# Altium PCB PowerBoard.PcbDoc (part 1 of 2) (continued)
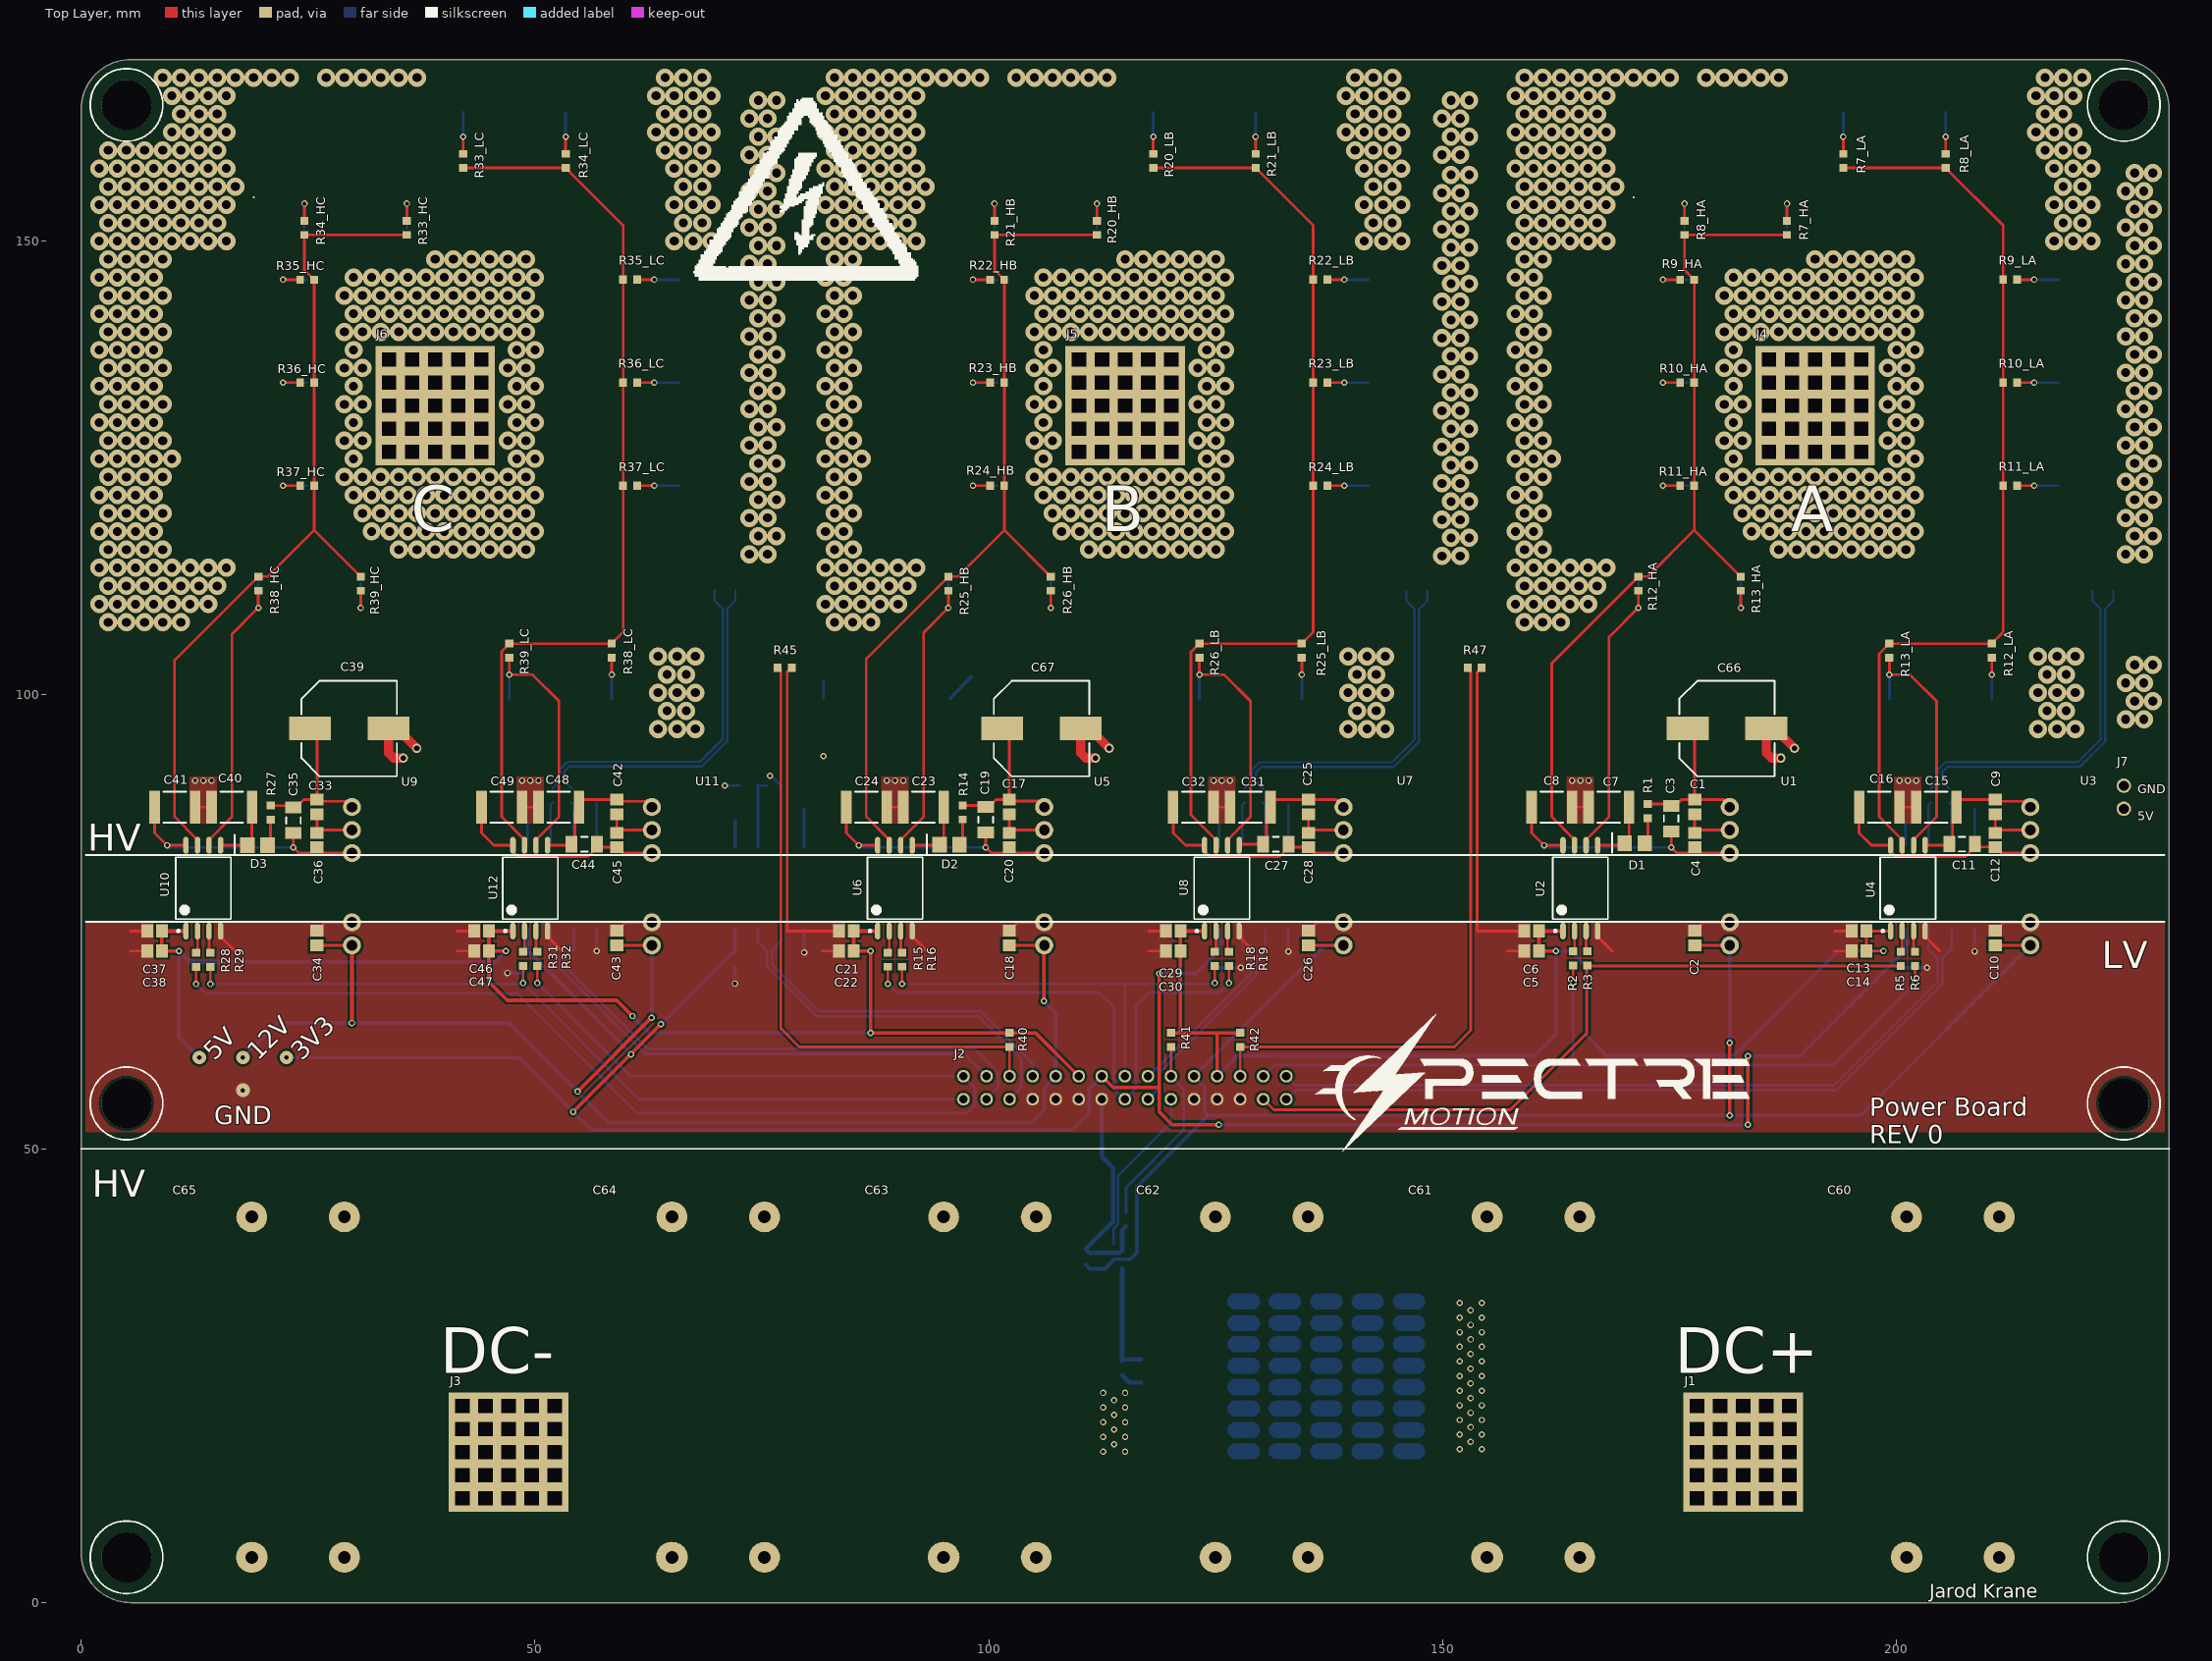
[diagram p0: Top Layer view]
## Components (designator, comment, footprint, x,y, rotation, side; value= is the part's Value field where it differs from the comment) (continued)
R35_LC "10R" RES-0603 60.478,145.75 r0 top (schematic designator R35)
R36_HC "10R" RES-0603 24.9,134.4 r180 top (schematic designator R36)
R36_LC "10R" RES-0603 60.478,134.4 r0 top (schematic designator R36)
R37_HC "10R" RES-0603 24.9,123.06 r180 top (schematic designator R37)
R37_LC "10R" RES-0603 60.478,123.05 r0 top (schematic designator R37)
R38_HC "10R" RES-0603 19.52,112.26 r270 top (schematic designator R38)
R38_LC "10R" RES-0603 58.45,104.872 r270 top (schematic designator R38)
R39_HC "10R" RES-0603 30.803,112.26 r270 top (schematic designator R39)
R39_LC "10R" RES-0603 47.175,104.872 r270 top (schematic designator R39)
R40 "10K" RES-0603 102.27,62 r90 top
R41 "10K" RES-0603 120.05,62 r90 top
R42 "10K" RES-0603 127.67,62 r90 top
R45 "10K NTC" RES-0603 77.5,103 r180 top
R46 "10K NTC" RES-0603 115.1,42.2 r90 bottom
R47 "10K NTC" RES-0603 153.5,103 r180 top
R50 "200K" RES-0603 73.3,90 r180 bottom
R51 "2K" RES-0603 76.325,90 r180 bottom
R52 "10K" RES-1206 148.535,16.675 r0 bottom
R53 "10K" RES-1206 148.535,19.032 r0 bottom
R54 "10K" RES-1206 148.535,21.389 r0 bottom
R55 "10K" RES-1206 148.535,23.746 r0 bottom
R56 "10K" RES-1206 148.535,26.103 r0 bottom
R57 "10K" RES-1206 148.535,28.461 r0 bottom
R58 "10K" RES-1206 148.535,30.818 r0 bottom
R59 "10K" RES-1206 148.535,33.175 r0 bottom
R60 "10K" RES-0603 114.662,25.855 r90 bottom
R61 "10K" RES-1206 143.985,16.675 r0 bottom
R62 "10K" RES-1206 143.985,19.032 r0 bottom
R63 "10K" RES-1206 143.985,21.389 r0 bottom
R64 "10K" RES-1206 143.985,23.746 r0 bottom
R65 "10K" RES-1206 143.985,26.103 r0 bottom
R66 "10K" RES-1206 143.985,28.461 r0 bottom
R67 "10K" RES-1206 143.985,30.818 r0 bottom
R68 "10K" RES-1206 143.985,33.175 r0 bottom
R70 "10K" RES-1206 139.435,16.675 r0 bottom
R71 "10K" RES-1206 139.435,19.032 r0 bottom
R72 "10K" RES-1206 139.435,21.389 r0 bottom
R73 "10K" RES-1206 139.435,23.746 r0 bottom
R74 "10K" RES-1206 139.435,26.103 r0 bottom
R75 "10K" RES-1206 139.435,28.461 r0 bottom
R76 "10K" RES-1206 139.435,30.818 r0 bottom
R77 "10K" RES-1206 139.435,33.175 r0 bottom
R78 "10K" RES-1206 134.885,16.675 r0 bottom
R79 "10K" RES-1206 134.885,19.032 r0 bottom
R80 "10K" RES-1206 134.885,21.389 r0 bottom
R81 "10K" RES-1206 134.885,23.746 r0 bottom
R82 "10K" RES-1206 134.885,26.103 r0 bottom
R83 "10K" RES-1206 134.885,28.461 r0 bottom
R84 "10K" RES-1206 134.885,30.818 r0 bottom
R85 "10K" RES-1206 134.885,33.175 r0 bottom
R86 "10K" RES-1206 130.335,16.675 r0 bottom
R87 "10K" RES-1206 130.335,19.032 r0 bottom
R88 "10K" RES-1206 130.335,21.389 r0 bottom
R89 "10K" RES-1206 130.335,23.746 r0 bottom
R90 "10K" RES-1206 130.335,26.103 r0 bottom
R91 "10K" RES-1206 130.335,28.461 r0 bottom
R92 "10K" RES-1206 130.335,30.818 r0 bottom
R93 "10K" RES-1206 130.335,33.175 r0 bottom
R94 "10K" RES-1206 125.785,16.675 r0 bottom
R95 "10K" RES-1206 125.785,19.032 r0 bottom
R96 "10K" RES-1206 125.785,21.389 r0 bottom
R97 "10K" RES-1206 125.785,23.746 r0 bottom
R98 "10K" RES-1206 125.785,26.103 r0 bottom
R99 "10K" RES-1206 125.785,28.461 r0 bottom
R100 "10K" RES-1206 125.785,30.818 r0 bottom
R101 "10K" RES-1206 125.785,33.175 r0 bottom
R102 "10R" RES-0603 203.751,88.928 r90 bottom
R103 "10R" RES-0603 205.751,88.928 r90 bottom
R104 "10R" RES-0603 128.175,88.906 r90 bottom
R105 "10R" RES-0603 130.175,88.906 r90 bottom
R106 "10R" RES-0603 51.975,88.96 r90 bottom
R107 "10R" RES-0603 53.975,88.96 r90 bottom
U1 "MGJ2D121509SC" MGJ2 181.597,72.412 r90 top
U2 "STGAP2HSMTR" SO-8W 165.136,78.711 r90 top
U3 "MGJ2D121509SC" MGJ2 214.706,72.412 r90 top
U4 "STGAP2HSMTR" SO-8W 201.211,78.711 r90 top
U5 "MGJ2D121509SC" MGJ2 106.09,72.412 r90 top
U6 "STGAP2HSMTR" SO-8W 89.65,78.711 r90 top
U7 "MGJ2D121509SC" MGJ2 139.045,72.412 r90 top
U8 "STGAP2HSMTR" SO-8W 125.65,78.711 r90 top
U9 "MGJ2D121509SC" MGJ2 29.835,72.412 r90 top
U10 "STGAP2HSMTR" SO-8W 13.46,78.711 r90 top
U11 "MGJ2D121509SC" MGJ2 62.87,72.412 r90 top
U12 "STGAP2HSMTR" SO-8W 49.475,78.711 r90 top
U13 "AMC1200BDUBR" 8-SOP 75.83,78.69 r270 bottom
U14 "AMC1200BDUBR" 8-SOP 204.751,78.69 r270 bottom
U15 "AMC1200BDUBR" 8-SOP 129.175,78.69 r270 bottom
U16 "AMC1200BDUBR" 8-SOP 52.975,78.69 r270 bottom
U18 "BU4SU69G2" SSOP5 113.725,38.16 r270 bottom

## Footprints (in the part's own frame and the unit in brackets; to place one, negate y for a bottom-side part, rotate by r counter-clockwise, add the part's x,y. Pads: shape width x height; smd on the part's side, far side on the other; paste and mask are expansions set on the pad)
8-SOP [mm] "SOP, 8-Leads, Body 9.29x6.62mm, Pitch 2.54mm, IPC Medium Density"
  oval 2.25x0.65 smd: 1(-4.575,3.81) 2(-4.575,1.27) 3(-4.575,-1.27) 4(-4.575,-3.81) 5(4.575,-3.81) 6(4.575,-1.27) 7(4.575,1.27) 8(4.575,3.81)
  silkscreen extent -4.7,-4.8 3.05,4.81, body extent -5.2,-4.8 5.2,4.8, height 4.85
CAP-0805 [mm] "Chip Capacitor, 2-Leads, Body 2.00x1.25mm, IPC Medium Density"
  rect 1.3x1.45 smd: 1(-0.8,0) 2(0.8,0)
  body extent -1.1,-0.72 1.1,0.72, height 1.35
CAP-1206 [mm] "Chip Capacitor, 2-Leads, Body 3.20x1.60mm, IPC Medium Density"
  rect 1.3x1.8 smd: 1(-1.4,0) 2(1.4,0)
  silkscreen extent -0.35,-0.8 0.35,0.8, body extent -1.7,-0.9 1.7,0.9, height 1.7
CAP-1812 [mm] "Chip Capacitor, 2-Leads, Body 4.50x3.20mm, IPC Medium Density"
  rect 1.15x3.6 smd: 1(-2.225,0) 2(2.225,0)
  silkscreen extent -1.25,-1.7 1.25,1.7, body extent -2.45,-1.8 2.45,1.8, height 3.6
CAPCAN-10mm [mm] "Aluminum Electrolytic Capacitor, Body 10.30x10.30x12.50mm, IPC Low Density"
  rect 4.6x2.6 smd: 1(-4.325,0) 2(4.325,0)
  silkscreen extent -5.25,-5.25 5.25,5.25, body extent -5.5,-5.25 5.5,5.25, height 12.5
"CONN POS-F" [mm]
  round 1.4 hole 0.95 unplated: 1(0,0) 1(0,0) 2(0,2.54) 2(0,2.54) 3(2.54,0) 4(2.54,2.54) 5(5.08,0) 6(5.08,2.54) 7(7.62,0) 8(7.62,2.54) 9(10.16,0) 10(10.16,2.54) 11(12.7,0) 12(12.7,2.54) 13(15.24,0) 14(15.24,2.54) 15(17.78,0) 16(17.78,2.54) 17(20.32,0) 18(20.32,2.54) 19(22.86,0) 20(22.86,2.54) 21(25.4,0) 22(25.4,2.54) 23(27.94,0) 24(27.94,2.54) 25(30.48,0) 26(30.48,2.54) 27(33.02,0) 28(33.02,2.54) 29(35.56,0) 30(35.56,2.54)
  body extent -1.3,-1.26 36.8,3.76, height 6.72
CONN-2POS-F [mm]
  round 1.6 hole 1.1 unplated: 1(0,0) 2(2.54,0)
  body extent -1.27,-1.23 3.81,1.31, height 4.8
DCLINKCAP [mm]
  oval 3.4x3.5 hole 1.4 unplated: 1(0,10.2)
  round 3.4 hole 1.4 unplated: 1(0,0) 2(37.5,0) 2(37.5,10.2)
  body extent -2.25,-8.9 39.75,19.1, height 37
DIOM2718X12N [mm] "Molded Diode, 2-Leads, Body 2.70x1.80mm, IPC Medium Density"
  rect 1.6x1.7 smd: 1(-1.1,0) 2(1.1,0)
  silkscreen extent -2.5,-1 -2.5,1.15, body extent -1.62,-0.95 1.62,0.95, height 1.15
DPAK2_IGBT [mm] "D2-PAK, 3-Pads, Body 7.78x8.56mm (max), IPC Medium Density"
  rect 3.95x1.05 smd: 1(-6.35,2.54) 3(-6.35,-2.54)
  rect 8.7x8.75 smd: 2(3.9,0)
  silkscreen extent -6.47,-5.2 -0.85,5.2, body extent -7.29,-5.2 8.14,5.2, height 4.6
"M8 TERMINAL" [mm]
  rect 3x3 hole 1.55 square unplated: 1(1.5,1.5) 1(1.5,1.5) 1(1.5,4.04) 1(1.5,6.58) 1(1.5,9.12) 1(1.5,11.66) 1(4.04,1.5) 1(4.04,1.5) 1(4.04,4.04) 1(4.04,6.58) 1(4.04,9.12) 1(4.04,11.66) 1(6.58,1.5) 1(6.58,1.5) 1(6.58,4.04) 1(6.58,6.58) 1(6.58,9.12) 1(6.58,11.66) 1(9.12,1.5) 1(9.12,1.5) 1(9.12,4.04) 1(9.12,6.58) 1(9.12,9.12) 1(9.12,11.66) 1(11.66,1.5) 1(11.66,1.5) 1(11.66,4.04) 1(11.66,6.58) 1(11.66,9.12) 1(11.66,11.66)
  body extent 0.08,0.08 13.08,13.08, height 53
MGJ2 [mm]
  round 2 hole 1.15 unplated: 1(0,0) 2(2.54,0) 3(10.16,0) 4(12.7,0) 5(15.24,0)
  body extent -2.28,-7.32 17.22,2.5, height 12.6
POWERFLAT-FET [mm]
  rect 0.5x0.73 smd: 1(1.905,-2.835)
  rect 5.4x3.77 smd: 2(0,1.315)
  rect 3.04x0.73 smd: 3(-0.635,-2.835)
  body extent -2.58,-3.08 2.57,3.05, height 1
RES-0603 [mm] "Chip Resistor, 2-Leads, Body 1.60x0.80mm, IPC Medium Density"
  rect 0.85x0.9 smd: 1(-0.775,0) 2(0.775,0)
  body extent -0.85,-0.45 0.85,0.45, height 0.55
RES-1206 [mm] "Chip Resistor, 2-Leads, Body 3.10x1.60mm, IPC Medium Density"
  rect 1.25x1.75 smd: 1(-1.375,0) 2(1.375,0)
  silkscreen extent -0.35,-0.77 0.35,0.77, body extent -1.65,-0.87 1.65,0.88, height 0.65
RES-SHUNT [mm]
  rect 2.7x4 smd: 1(0,2) 2(8.3,2)
  rect 3.5x2.2 smd: 1(0.4,5.1) 2(7.9,5.1)
  rect 1x2 smd: 3(3,5.2) 4(5.3,5.2)
SO-8W [mm] "SOP, 8-Leads, Body 5.85x7.49mm, Pitch 1.27mm, IPC Medium Density"
  oval 1.85x0.6 smd: 1(-4.725,1.905) 2(-4.725,0.635) 3(-4.725,-0.635) 4(-4.725,-1.905) 5(4.725,-1.905) 6(4.725,-0.635) 7(4.725,0.635) 8(4.725,1.905)
  silkscreen extent -4.85,-3.05 3.4,3.05, body extent -5.16,-3.05 5.16,3.05, height 2.64
SSOP5 [mm] "SOT23, 5-Leads, Body 2.90x2.80mm, Pitch 0.95mm, IPC Medium Density"
  rect 0.95x0.6 smd: 1(-1.375,0.95) 2(-1.375,0) 3(-1.375,-0.95) 4(1.375,-0.95) 5(1.375,0.95)
  silkscreen extent -1.5,-1.55 0.5,1.92, body extent -1.5,-1.55 1.5,1.55, height 1.25

## Part data
C1 C2 C4 C6 C9 C10 C12 C14 C17 C18 C20 C22 C25 C26 C28 C30 C33 C34 C36 C38 C42 C43 C45 C47 C59: library part 0805-1uF-50V, "CAP CER 1UF 50V X5R 0805", Case/Package=0805, Case Code (Metric)=2012, Dielectric=X5R, Dielectric Material=Ceramic, Manufacturer=KEMET, Manufacturer Part Number=C0805C105K5PACTU, Max Operating Temperature=85°C, Min Operating Temperature=-55°C, Package Quantity=2500, Supplier Part Number 1=399-15436-6-ND, Tolerance=10%, Voltage Rating=50V, Capacitance=1uF, Case Code (Imperial)=0805, ComponentLink1Description=https://api.kemet.com/component-edge/download/datasheet/C0805C105K5PAC7800.pdf?src-supplier=Digi-Key, ComponentLink1URL=https://api.kemet.com/component-edge/download/datasheet/C0805C105K5PAC7800.pdf?src-supplier=Digi-Key, ComponentLink2Description=http://www.farnell.com/datasheets/2746140.pdf?src-supplier=Farnell, ComponentLink2URL=http://www.farnell.com/datasheets/2746140.pdf?src-supplier=Farnell, ComponentLink3Description=http://www.mouser.com/ds/2/212/KEM_C1006_X5R_SMD-1103249.pdf?src-supplier=Mouser, ComponentLink3URL=http://www.mouser.com/ds/2/212/KEM_C1006_X5R_SMD-1103249.pdf?src-supplier=Mouser, ComponentLink4Description=http://www.farnell.com/datasheets/2746140.pdf?src-supplier=Newark, ComponentLink4URL=http://www.farnell.com/datasheets/2746140.pdf?src-supplier=Newark, ComponentLink5Description=http://www.farnell.com/datasheets/2032728.pdf?src-supplier=Element14, ComponentLink5URL=http://www.farnell.com/datasheets/2032728.pdf?src-supplier=Element14, Lead Free="Lead Free", Length=0.079inch, Mount="Surface Mount", Packaging="Tape and Reel", Pricing 1="1=0.33, 10=0.23, 100=0.1378, 500=0.10334, 1000=0.08726 (USD)", REACH SVHC="No SVHC", Stock 1=7193, Supplier 1=Digi-Key, Termination=SMD/SMT, Thickness=0.055inch, Voltage Rating (DC)=50V, Weight=0.000194oz, Width=0.049inch
C3 C11 C19 C27 C35 C44: library part 1206-4.7uF-50V, "CAP CER 4.7UF 50V X7R 1206", Case/Package=1206, Case Code (Metric)=3216, Dielectric=X7R, Dielectric Material=Ceramic, Manufacturer=TDK, Manufacturer Part Number=C3216X7R1H475K160AC, Max Operating Temperature=125°C, Min Operating Temperature=-55°C, Package Quantity=1, Supplier Part Number 1=445-8032-6-ND, Tolerance=10%, Voltage Rating=50V, Capacitance=4.7uF, Case Code (Imperial)=1206, ComponentLink1Description=https://product.tdk.com/info/en/catalog/datasheets/mlcc_commercial_general_en.pdf?src-supplier=Digi-Key, ComponentLink1URL=https://product.tdk.com/info/en/catalog/datasheets/mlcc_commercial_general_en.pdf?src-supplier=Digi-Key, ComponentLink2Description=http://www.mouser.com/ds/2/400/lcc_commercial_general_en-560200.pdf?src-supplier=Mouser, ComponentLink2URL=http://www.mouser.com/ds/2/400/lcc_commercial_general_en-560200.pdf?src-supplier=Mouser, ComponentLink3Description=http://product.tdk.com/capacitor/mlcc/en/documents/mlcc_commercial_general_en.pdf?src-supplier=Future+Electronics, ComponentLink3URL=http://product.tdk.com/capacitor/mlcc/en/documents/mlcc_commercial_general_en.pdf?src-supplier=Future+Electronics, Depth=1.6mm, Lead Free="Lead Free", Length=3.2mm, Mount="Surface Mount", Packaging="Tape and Reel", Pricing 1="1=0.76, 10=0.535, 50=0.4042, 100=0.3521, 500=0.26082, 1000=0.2217 (USD)", REACH SVHC="No SVHC", Resistor Type=Ceramic, RoHS Compliant=Yes, Series=C, Stock 1=117540, Supplier 1=Digi-Key, Termination=SMD/SMT, Thickness=1.6mm, Voltage Rating (DC)=50V, Weight=0.000571oz, Width=0.063inch
C5 C13 C21 C29 C37 C46 C50 C51 C52 C53 C54 C55 C56 C57: library part 0805-0.1uF-50V, "CAP CER 0.1UF 50V Y5V 0805", Capacitance=100nF, Case/Package=0805, Case Code (Metric)=2012, Dielectric=Y5V, Dielectric Material=Ceramic, Manufacturer=KEMET, Manufacturer Part Number=C0805C104Z5VACTU, Max Operating Temperature=85°C, Min Operating Temperature=-30°C, Package Quantity=1, Supplier Part Number 1=399-1177-6-ND, Tolerance=80%, Voltage=50V, Case Code (Imperial)=0805, ComponentLink1Description=http://www.alliedelec.com/m/d/9bfe7773041ffe9d406e68bc7b377fdd.pdf?src-supplier=Allied+Electronics, ComponentLink1URL=http://www.alliedelec.com/m/d/9bfe7773041ffe9d406e68bc7b377fdd.pdf?src-supplier=Allied+Electronics, ComponentLink2Description=https://www.verical.com/server-webapp/html/getDatasheet?partID=37101&src-supplier=Verical, ComponentLink2URL=https://www.verical.com/server-webapp/html/getDatasheet?partID=37101&src-supplier=Verical, ComponentLink3Description=https://www.verical.com/server-webapp/html/getDatasheet?partID=321176&src-supplier=Verical, ComponentLink3URL=https://www.verical.com/server-webapp/html/getDatasheet?partID=321176&src-supplier=Verical, ComponentLink4Description=http://www.farnell.com/datasheets/2123124.pdf?src-supplier=Element14, ComponentLink4URL=http://www.farnell.com/datasheets/2123124.pdf?src-supplier=Element14, Depth=1.25mm, Dissipation Factor=5%, Height=0.9mm, Lead Free="Lead Free", Lead Pitch=0.75mm, Length=2mm, Mount="Surface Mount,PCB", Number of Pins=2, Packaging="Tape and Reel", Pricing 1="1=0.1, 10=0.057, 100=0.0254, 500=0.01818, 1000=0.01428 (USD)", Radiation Hardening=No, REACH SVHC="No SVHC", Stock 1=929243, Supplier 1=Digi-Key, Termination=SMD/SMT, Thickness=0.039inch, Voltage Rating=50V, Voltage Rating (DC)=50V, Width=0.049inch
C7 C8 C15 C16 C23 C24 C31 C32 C40 C41 C48 C49: library part 1812-15uF-25V, "CAP CER 15UF 25V X7R 1812", Case/Package=1812, Case Code (Metric)=4532, Dielectric=X7R, Dielectric Material=Ceramic, Manufacturer=TDK, Manufacturer Part Number=C4532X7R1E156M280KB, Max Operating Temperature=125°C, Min Operating Temperature=-55°C, Package Quantity=1, Supplier Part Number 1=445-3921-6-ND, Tolerance=20%, Voltage=25V, Capacitance=15uF, Case Code (Imperial)=1812, ComponentLink1Description=http://www.farnell.com/datasheets/1913358.pdf?src-supplier=Element14, ComponentLink1URL=http://www.farnell.com/datasheets/1913358.pdf?src-supplier=Element14, ComponentLink2Description=https://product.tdk.com/info/en/documents/chara_sheet/C4532X7R1E156M280KB.pdf?src-supplier=Digi-Key, ComponentLink2URL=https://product.tdk.com/info/en/documents/chara_sheet/C4532X7R1E156M280KB.pdf?src-supplier=Digi-Key, ComponentLink3Description=https://product.tdk.com/en/products/common/pdf/mlcc_partnumber_description.pdf?src-supplier=Digi-Key, ComponentLink3URL=https://product.tdk.com/en/products/common/pdf/mlcc_partnumber_description.pdf?src-supplier=Digi-Key, ComponentLink4Description=http://uk.rs-online.com/webdocs/1532/0900766b81532cd0.pdf?src-supplier=RSComponents, ComponentLink4URL=http://uk.rs-online.com/webdocs/1532/0900766b81532cd0.pdf?src-supplier=RSComponents, ComponentLink5Description=http://www.tdk.com/pdf/general_B11.pdf?src-supplier=Future+Electronics, ComponentLink5URL=http://www.tdk.com/pdf/general_B11.pdf?src-supplier=Future+Electronics, Depth=3.2mm, Height=2.8mm, Lead Free="Lead Free", Length=4.5mm, Mount="Surface Mount", Number of Pins=2, Packaging="Tape and Reel", Pricing 1="1=1.18, 10=0.932, 50=0.8072, 100=0.6986 (USD)", REACH SVHC="No SVHC", Resistor Type=Ceramic, RoHS Compliant=Yes, Series=C, Stock 1=9166, Supplier 1=Digi-Key, Termination=SMD/SMT, Thickness=0.122inch, Voltage Rating=25V, Voltage Rating (DC)=25V, Weight=0.000952oz, Width=0.126inch
C39 C66 C67: library part 10mm-150uF-50V, "CAP POLYMER HYBRID 150UF 50V SMD", Manufacturer=Panasonic, Manufacturer Part Number=EEHZS1H151P, Supplier Part Number 1=10-EEH-ZS1H151PDKR-ND, Voltage=50V, Pricing 1="1=2.07, 10=1.673, 50=1.46, 100=1.2775 (USD)", Stock 1=1212, Supplier 1=Digi-Key
C60 C61 C62 C63 C64 C65: library part 50UF-500V, "CAP FILM 50UF 10% 500VDC RADIAL", Capacitance=50uF, Case/Package=Radial, Dielectric Material=PP, ESR (Equivalent Series Resistance)=2.8mR, Manufacturer=KEMET, Manufacturer Part Number=C4AQLBW5500A3JK, Max Operating Temperature=105°C, Min Operating Temperature=-40°C, Ratings=AEC-Q200, Supplier Part Number 1=399-17001-ND, Tolerance=10%, Voltage Rating (DC)=500V, ComponentLink1Description=http://www.farnell.com/datasheets/2754776.pdf?src-supplier=Farnell, ComponentLink1URL=http://www.farnell.com/datasheets/2754776.pdf?src-supplier=Farnell, ComponentLink2Description=http://www.farnell.com/datasheets/2754776.pdf?src-supplier=Element14, ComponentLink2URL=http://www.farnell.com/datasheets/2754776.pdf?src-supplier=Element14, ComponentLink3Description=https://media.digikey.com/pdf/Data%20Sheets/Kemet%20PDFs/C4AQ%20Series,%20Auto.pdf?src-supplier=Digi-Key, ComponentLink3URL=https://media.digikey.com/pdf/Data%20Sheets/Kemet%20PDFs/C4AQ%20Series,%20Auto.pdf?src-supplier=Digi-Key, ComponentLink4Description=http://www.farnell.com/datasheets/2754776.pdf?src-supplier=Newark, ComponentLink4URL=http://www.farnell.com/datasheets/2754776.pdf?src-supplier=Newark, Mount="Through Hole", Packaging=Bulk, RoHS Compliant=Yes, Stock 1=0, Supplier 1=Digi-Key, Termination="PC Pins"
C68 C69 C70: library part 0805-39pF-50V, "CAP CER 39PF 50V C0G/NP0 0805", Capacitance=39pF, Case/Package=0805, Case Code (Metric)=2012, Dielectric=C0G, Manufacturer=Samsung, Manufacturer Part Number=CL21C390JBANNNC, Max Operating Temperature=125°C, Min Operating Temperature=-55°C, Package Quantity=1, Supplier Part Number 1=1276-1769-1-ND, Temperature Coefficient=300ppm/°C, Tolerance=5%, Voltage=50V, Case Code (Imperial)=0805, ComponentLink1Description=http://www1.futureelectronics.com/doc/SAMSUNG%20PASSIVE/CL05B104KQ5NNNC.pdf?src-supplier=Future+Electronics, ComponentLink1URL=http://www1.futureelectronics.com/doc/SAMSUNG%20PASSIVE/CL05B104KQ5NNNC.pdf?src-supplier=Future+Electronics, ComponentLink2Description=https://www.verical.com/server-webapp/html/getDatasheet?partID=480498&src-supplier=Verical, ComponentLink2URL=https://www.verical.com/server-webapp/html/getDatasheet?partID=480498&src-supplier=Verical, ComponentLink3Description=https://produktinfo.conrad.com/datenblaetter/450000-474999/454441-da-01-en-VS_KONDENSATOR_0805.pdf?src-supplier=Conrad, ComponentLink3URL=https://produktinfo.conrad.com/datenblaetter/450000-474999/454441-da-01-en-VS_KONDENSATOR_0805.pdf?src-supplier=Conrad, Construction=Flat, Depth=1.25mm, Height=0.65mm, Length=2mm, Material=Ceramic, Mount="Surface Mount", Packaging="Tape and Reel", Pricing 1="1=0.1, 10=0.045, 50=0.0248, 100=0.0202, 500=0.01444, 1000=0.01135 (USD)", Radiation Hardening=No, RoHS Compliant=Yes, Series=CL, Stock 1=62860, Supplier 1=Digi-Key, Thickness=0.03inch, Voltage Rating=50V, Width=0.049inch
D1 D2 D3: library part "Diode 1.2KV-1A", "DIODE GEN PURP 1.2KV 1A SOD123F", Average Rectified Current=1A, Manufacturer=Diodes, Max Reverse Voltage (DC)=1.2kV, Supplier Part Number 1=US1NWF-7DIDKR-ND, ComponentLink1Description=https://www.diodes.com/assets/Datasheets/US1NWF.pdf?src-supplier=Digi-Key, ComponentLink1URL=https://www.diodes.com/assets/Datasheets/US1NWF.pdf?src-supplier=Digi-Key, Manufacturer Part Number=US1NWF-7, Mount="Surface Mount", Packaging="Tape and Reel", Pricing 1="1=0.54, 10=0.438, 100=0.2985, 500=0.22388, 1000=0.1679 (USD)", Reverse Recovery Time=80ns, Stock 1=33557, Supplier 1=Digi-Key
J1 J3 J4 J5 J6: "M8 Screw terminal for HV connections"
J2: library part CONN-30POS-F, "30 Position Receptacle Connector 0.100\" (2.54mm) Through Hole Gold", Color=Black, Contact Current Rating=2A, Contact Resistance=12MR, Flammability Rating="UL94 V-0", High Temperature Compatible=No, Insulation Resistance=5GR, Manufacturer="TE Connectivity", Max Operating Temperature=125°C, Min Operating Temperature=-65°C, Package Quantity=15, Supplier Part Number 1=A26494-ND, Voltage Rating=250V, Approvals=CSA, Boss="No (Without)", ComponentLink1Description=http://www.te.com/commerce/DocumentDelivery/DDEController?Action=srchrtrv&DocNm=1307819_AMPMODU&DocType=DS&DocLang=English&s_cid=1046&src-supplier=Avnet, ComponentLink1URL=http://www.te.com/commerce/DocumentDelivery/DDEController?Action=srchrtrv&DocNm=1307819_AMPMODU&DocType=DS&DocLang=English&s_cid=1046&src-supplier=Avnet, ComponentLink2Description=http://www.onlinecomponents.com/productFiles/mf-AMP/eng_cat_1307819_0306_084_222_.pdf?src-supplier=Onlinecomponents.com, ComponentLink2URL=http://www.onlinecomponents.com/productFiles/mf-AMP/eng_cat_1307819_0306_084_222_.pdf?src-supplier=Onlinecomponents.com, ComponentLink3Description=https://www.te.com/commerce/DocumentDelivery/DDEController?Action=srchrtrv&DocNm=534998&DocType=Customer+Drawing&DocLang=English&src-supplier=Digi-Key, ComponentLink3URL=https://www.te.com/commerce/DocumentDelivery/DDEController?Action=srchrtrv&DocNm=534998&DocType=Customer+Drawing&DocLang=English&src-supplier=Digi-Key, Connector Type=Receptacle,Connector,Socket, Contact Material=Bronze, Contact Mating Length=3.77mm, Contact Plating=Gold,Tin,Lead, Contact Post Length=0.125inch, Contact Shape=Round, Contact Type="Female Socket", Current Rating=2A, Depth=5.03mm, ELV=Non-Compliant, Gender=Female, Height=5.03mm, Housing Color=Black, Housing Material=Thermoplastic, Lead Free="Contains Lead", Length=38.1mm, Manufacturer Part Number=1-534998-5, Mount="Through Hole", Number of Contacts=30, Number of Positions=30, Number of Rows=2, Orientation=Straight, Packaging=Rail/Tube, PCB Mounting Orientation=Vertical, PCB Mount Retention=Without, PCB Thickness=1.57mm, Pitch=2.54mm, Plating Thickness=7.61um, Pricing 1="1=4.73, 10=4.536, 100=3.78, 500=3.213, 1000=2.7405, 5000=2.457 (USD)", Radiation Hardening=No, Row Spacing=0.1inch, Sealable="No (Without)", Series="AMPMODU MOD IV", Stackable=Yes, Stock 1=870, Supplier 1=Digi-Key, Tail Length=3.18mm, Termination=Solder
J7: library part CONN-2POS-F, "CONN HDR 2POS 0.1 GOLD PCB", Color=Black, Manufacturer=Sullins, Package Quantity=1000, Supplier Part Number 1=S7035-ND, Connector Type=Header, Contact Material=Bronze, Contact Plating=Gold, Contact Type="Female Socket", Height=8.5mm, Housing Material=Plastic, Lead Free="Lead Free", Length=5.58mm, Manufacturer Part Number=PPPC021LFBN-RC, Mount="Through Hole", Number of Positions=2, Number of Rows=1, Packaging=Bulk, Pitch=0.1inch, Pricing 1="1=0.33, 10=0.315, 100=0.2205, 500=0.189, 1000=0.1575, 5000=0.135, 10000=0.126 (USD)", RoHS Compliant=Yes, Stock 1=17824, Supplier 1=Digi-Key, Termination=Solder, Width=2.5mm